# KiCad board AMC_FMC_Carrier-PcbDoc.kicad_pcb (continued)
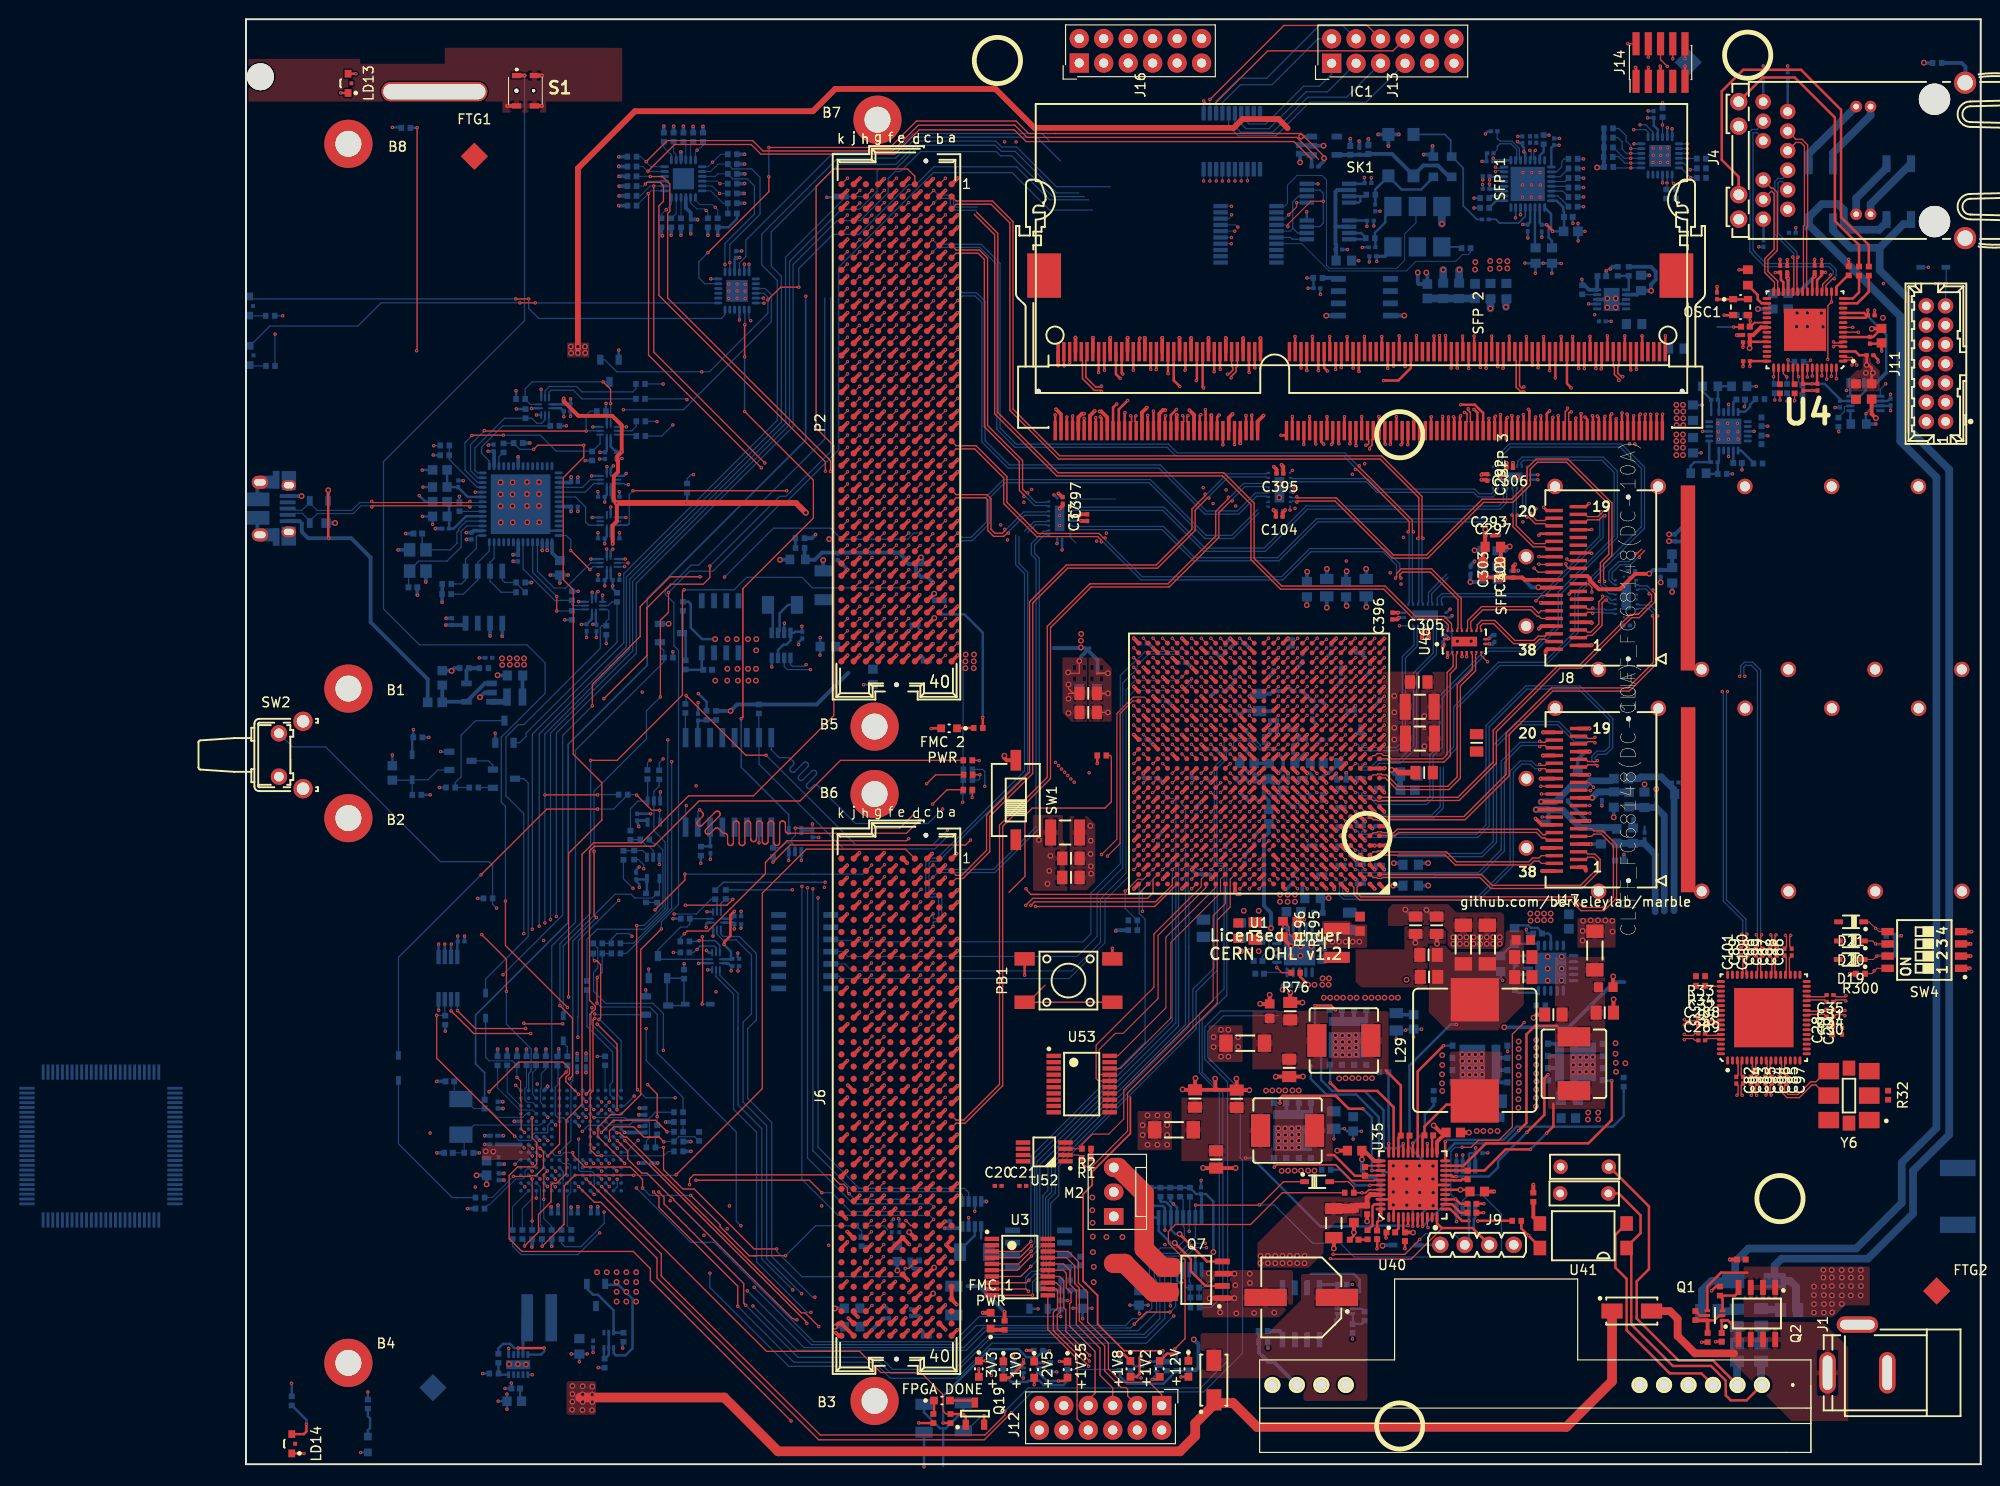
[diagram p0: board, top side]
## Routing (per net, layer and track width the routed paths; a pad name or vN(x,y) marks a point on that pad's centre or on a via; arc(x,y) is an arc through that point) (continued)
/FMC_1/FMC1_3P3VAUX: length 3.3
  Top w0.4: J6.D32 68.82,24.08 v2(68.81,24.08)
  Bottom w0.127: 66.57,24.32 66.57,24.37 66.19,24.76 R261.1
/FMC_1/FMC1_CLK0_M2C_N: length 44.8
  Top w0.11: U1.E17 v1(101.12,63.73)
  Top w0.112: J6.H5 64.32,57.8 v1(64.9,58.38)
  In7.Cu w0.1: v1(64.9,58.38) 65.41,58.89 75.98,58.89 78.32,56.55 97.84,56.55 99.77,58.48 99.77,59.54 99.77,59.55 99.77,59.88 99.77,59.88 99.77,61.56 99.77,61.56 99.77,61.9 99.95,62.08 99.96,62.08 99.97,62.09 100.41,62.09 100.76,62.44 100.76,63.86 ; 101.07,64.09 101.12,64.04 v1(101.12,63.73)
/FMC_1/FMC1_CLK0_M2C_P: length 44.4
  Top w0.11: U1.F17 v1(101.12,64.73)
  Top w0.112: v1(64.9,59.68) 64.32,59.1 J6.H4
  In7.Cu w0.1: 100.47,63.9 100.47,62.56 100.29,62.38 99.85,62.38 99.84,62.37 99.83,62.37 99.48,62.02 99.48,61.44 99.48,59.42 99.48,58.6 97.72,56.84 78.44,56.84 76.11,59.18 65.41,59.18 v1(64.9,59.68) ; 101.07,64.38 101.12,64.43 v1(101.12,64.73)
/FMC_1/FMC1_CLK1_M2C_N: length 42.9
  Top w0.11: v1(100.12,62.73) 100.12,62.73 U1.D18
  Top w0.112: J6.G3 65.6,60.33 v1(66.25,60.98)
  In7.Cu w0.1: v1(100.12,62.73) 99.76,63.09 98.96,63.09 98.77,62.89 98.77,60.56 98.77,60.56 98.77,59.37 97.96,58.56 80.35,58.56 75.12,63.8 71.08,63.8 68.74,61.46 66.73,61.46 v1(66.25,60.98)
/FMC_1/FMC1_CLK1_M2C_P: length 42.9
  Top w0.11: U1.E18 100.12,63.73 v1(100.12,63.73)
  Top w0.112: v1(66.25,62.23) 65.62,61.6 J6.G2
  In7.Cu w0.1: v1(100.12,63.73) 99.76,63.38 98.84,63.38 98.84,63.37 98.83,63.37 98.48,63.02 98.48,60.44 98.48,60.44 98.48,59.49 97.84,58.85 80.47,58.85 75.24,64.09 70.96,64.09 68.62,61.75 66.73,61.75 v1(66.25,62.23)
/FMC_1/FMC1_FUSE: length 39.9
  Top w0.127: v1(41.15,28.67) 41.15,29.58 39.87,30.85 35.16,30.85 33.91,32.1 v1(33.91,32.35) ; 52.83,21.63 52.22,21.63 49.2,24.66 49.2,24.86 v1(46.15,27.91) ; 52.83,21.63 52.85,21.65 v1(55.99,21.65) ; 52.83,21.63 52.73,21.63
  Bottom w0.127: v1(41.15,28.67) 41.91,27.91 v1(46.15,27.91) ; R260.1 63.88,24.21 63.77,24.32 63.75,24.32 63.33,24.74 R261.2 59.1,24.76 v1(55.99,21.65) ; 31.73,32.39 31.73,32.39 32.09,32.03 32.7,32.03 33.02,32.35 v1(33.91,32.35)
/FMC_1/FMC1_GBTCLK0_M2C_N: length 160.1
  Top w0.112: v1(70,58.38) 69.41,57.79 J6.D5
  Top w0.13: v1(160.29,54.91) 160.18,54.8 160.18,53.74 160.39,53.53 C86.2
  In4.Cu w0.1: 158.71,53.41 149.23,53.41 145.22,49.4 145.22,41.27 142.44,38.5 137.85,38.5 135.36,36.01 124.3,36.01 121.79,38.53 114.67,38.53 112.34,36.2 101.35,36.2 97.45,32.3 89.24,32.3 86.81,29.87 86.75,29.87 86.4,29.51 86.4,29.46 79.26,22.32 64.61,22.32 63.21,23.72 63.21,27.78 63.22,27.79 63.22,28.37 63.21,28.39 63.21,58.45 63.62,58.86 69.52,58.86 v1(70,58.38)
/FMC_1/FMC1_GBTCLK0_M2C_P: length 161.2
  Top w0.112: v1(70.05,59.68) 69.43,59.06 J6.D4
  Top w0.13: C98.2 159.64,53.53 159.85,53.74 159.85,54.8 v1(159.74,54.91)
  In4.Cu w0.1: 158.71,53.12 149.35,53.12 145.51,49.28 145.51,41.15 142.56,38.21 137.97,38.21 135.48,35.72 124.18,35.72 121.67,38.24 114.79,38.24 112.46,35.91 101.47,35.91 97.57,32.01 89.36,32.01 86.93,29.58 86.87,29.58 86.69,29.39 86.69,29.34 79.38,22.03 64.49,22.03 62.92,23.6 62.92,27.9 62.93,27.91 62.93,28.25 62.92,28.27 62.92,58.57 63.5,59.15 69.52,59.15 v1(70.05,59.68)
/FMC_1/FMC1_GBTCLK1_M2C_N: length 133.4
  Top w0.112: 71.94,37.47 v1(72.55,38.08)
  Top w0.13: v1(158.76,54.96) 158.65,54.85 158.65,53.7 C87.2
  In4.Cu w0.1: v1(72.55,38.08) 72.05,38.59 64.91,38.59 64.4,38.08 64.4,25.07 64.57,24.9 71.6,24.9 72.33,24.16 79.67,24.16 97.08,41.58 107.58,41.58 108.28,42.27 110.93,42.27 111.28,41.92 120.88,41.92 127.39,48.43 138.25,48.43 146.29,56.47 157.92,56.47 158.63,55.76 158.63,55.09 v1(158.76,54.96)
/FMC_1/FMC1_GBTCLK1_M2C_P: length 134
  Top w0.112: 71.91,38.74 v1(72.55,39.38)
  Top w0.13: C99.2 158.13,53.55 158.32,53.74 158.32,54.85 v1(158.21,54.96)
  In4.Cu w0.1: v1(158.21,54.96) 158.34,55.09 158.34,55.64 157.8,56.18 146.41,56.18 138.37,48.14 127.51,48.14 121,41.63 111.16,41.63 110.81,41.98 108.4,41.98 107.7,41.29 97.2,41.29 79.79,23.87 72.21,23.87 71.48,24.61 64.45,24.61 64.11,24.95 64.11,38.2 64.79,38.88 72.05,38.88 v1(72.55,39.38)
/FMC_1/FMC1_PG_C2M: length 71.2
  Top w0.127: v1(30.73,22.62) 33.02,24.91 33.02,28.9 34.13,30.01 40.21,30.01 v1(40.23,29.99) ; v1(44.62,30.04) 53.57,38.99 53.57,59.28 58.14,63.85 68.42,63.85 J6.D1
  Bottom w0.127: v1(30.73,22.62) 30.73,23.35 R153.1 ; v1(40.23,29.99) 44.57,29.99 v1(44.62,30.04)
/FMC_1/I2C_FMC1_SCL: length 127.2
  Top w0.127: J6.C30 70.7,26.04 v1(71.37,26.71) ; v1(42.31,132.69) 42.31,115.46 v1(53.83,103.94)
  In2.Cu w0.127: v1(53.83,103.94) 53.83,93.12 56.79,90.16 56.79,84.85 57.54,84.1 57.54,67.14 58.27,66.41 v1(58.27,59.83)
  Bottom w0.102: R45.1 40.91,131.66 41.94,132.69 U5.2
  Bottom w0.127: 63.51,27.03 71.05,27.03 v1(71.37,26.71) ; 63.51,27.03 63.41,27.03 ; 63.51,27.03 63.01,27.03 58.27,31.78 v1(58.27,59.83) ; 42.25,132.69 v1(42.31,132.69)
/FMC_1/I2C_FMC1_SDA: length 129.2
  Top w0.127: v1(41.74,131.91) 41.77,131.88 41.77,115.14 v1(53.48,103.43) ; v1(71.35,25.42) 70.7,24.77 J6.C31
  In2.Cu w0.127: v1(53.48,103.43) 53.48,92.36 56.32,89.51 56.32,84.55 57.12,83.75 57.12,76.95 ; 57.12,69.03 57.12,76.95 ; 57.12,69.03 57.12,66.69 57.34,66.48 57.34,64.62 57.13,64.42 57.13,60.53 v1(57.68,59.99) ; 57.12,69.03 57.12,68.94 ; 57.12,76.95 57.12,77.04
  Bottom w0.102: R46.1 40.52,130.67 41.74,131.89 v1(41.74,131.91) 42.03,132.19 U5.1
  Bottom w0.127: v1(71.35,25.42) 70.93,25.83 61.43,25.83 57.68,29.58 v1(57.68,59.99)
/FMC_2/CLK_DIR: length 0.9
  Top w0.112: P2.B1 v1(72.58,133.51)
/FMC_2/FMC2_3P3VAUX: length 20
  Top w0.381: v1(71.29,91.53) 70.72,90.96 P2.C34
  Top w0.4: P2.D32 v2(70.04,94.14)
  Bottom w0.4: 69.56,93.44 C10.1 70.18,93.99 v2(70.04,94.14) ; 69.56,93.44 68.76,93.44 68.29,93.91 68.29,94.09 67.74,94.64 67.26,94.64 67.24,94.62 67.22,94.64 64.72,94.64 64.71,94.63 62.67,94.63 62.66,94.64 62.18,94.64 62.17,94.63 59.77,94.63 59.03,93.89 57.92,93.89 57.96,93.93 R259.1 ; 69.56,93.44 69.54,93.41 69.54,92.62 70.04,92.12 70.71,92.12 v1(71.29,91.53)
/FMC_2/FMC2_CLK0_M2C_N: length 76
  Top w0.11: U1.AA24 v1(94.12,80.73)
  Top w0.112: 64.32,127.79 v1(64.94,128.42)
  In4.Cu w0.1: v1(64.94,128.42) 64.46,128.9 62.2,128.9 61.97,128.66 61.97,112.88 62.11,112.73 74.62,112.73 80.4,106.95 80.4,103.13 81.57,101.96 81.63,101.96 82.23,101.36 82.23,101.3 82.29,101.25 82.29,98.75 91.16,89.88 91.16,80.6 91.39,80.37 94.2,80.37 94.3,80.47 94.3,80.55 v1(94.12,80.73)
/FMC_2/FMC2_CLK0_M2C_P: length 77.5
  Top w0.11: U1.Y23 v1(95.12,79.73)
  Top w0.112: 64.34,129.06 v1(64.94,129.67)
  In4.Cu w0.1: v1(95.12,79.73) 94.77,80.08 91.27,80.08 90.87,80.48 90.87,89.76 82,98.63 82,101.13 81.94,101.18 81.94,101.24 81.51,101.67 81.45,101.67 80.11,103.01 80.11,106.83 74.5,112.44 61.99,112.44 61.68,112.76 61.68,128.78 62.08,129.19 64.46,129.19 v1(64.94,129.67)
/FMC_2/FMC2_CLK1_M2C_N: length 106
  Top w0.11: U1.E23 v1(95.12,63.73)
  Top w0.112: P2.G3 v1(66.23,130.97)
  In4.Cu w0.1: v1(66.23,130.97) 66.23,131.37 66.31,131.46 66.67,131.46 66.7,131.42 66.7,130.63 66.51,130.44 60.86,130.44 59.99,129.58 59.99,105.03 61.45,103.58 61.45,87.58 62,87.03 75.73,87.03 78.23,84.53 78.23,75.3 80.06,73.47 86.56,73.47 87.85,72.18 87.85,67.58 88.18,67.25 88.18,65.9 90,64.09 95.3,64.09 95.33,64.05 95.33,63.96 95.11,63.74
/FMC_2/FMC2_CLK1_M2C_P: length 106.5
  Top w0.11: U1.F22 96.12,64.73 v1(96.12,64.73)
  Top w0.112: P2.G2 v1(66.23,132.24)
  In4.Cu w0.1: 96.11,64.74 95.76,64.38 90.12,64.38 88.47,66.02 88.47,67.37 88.14,67.7 88.14,72.3 86.68,73.76 80.18,73.76 78.52,75.42 78.52,84.65 75.85,87.32 62.12,87.32 61.74,87.7 61.74,103.7 60.28,105.15 60.28,129.46 60.98,130.15 66.63,130.15 66.99,130.51 66.99,131.54 66.79,131.75 66.31,131.75 66.23,131.83 v1(66.23,132.24)
/FMC_2/FMC2_DP4_M2C_N: length 0.9
  Top w0.112: P2.A15 v1(73.85,115.73)
/FMC_2/FMC2_DP4_M2C_P: length 0.9
  Top w0.112: P2.A14 v1(73.85,117)
/FMC_2/FMC2_DP5_C2M_N: length 0.9
  Top w0.112: P2.A39 v1(73.85,85.25)
/FMC_2/FMC2_DP5_C2M_P: length 0.9
  Top w0.112: P2.A38 v1(73.85,86.52)
/FMC_2/FMC2_DP5_M2C_N: length 0.9
  Top w0.112: P2.A19 v1(73.85,110.65)
/FMC_2/FMC2_DP5_M2C_P: length 0.9
  Top w0.112: P2.A18 v1(73.85,111.92)
/FMC_2/FMC2_DP6_C2M_N: length 0.9
  Top w0.112: P2.B37 v1(72.58,87.79)
/FMC_2/FMC2_DP6_C2M_P: length 0.9
  Top w0.112: P2.B36 v1(72.58,89.06)
/FMC_2/FMC2_DP6_M2C_N: length 0.9
  Top w0.112: P2.B17 v1(72.58,113.19)
/FMC_2/FMC2_DP6_M2C_P: length 0.9
  Top w0.112: P2.B16 v1(72.58,114.46)
/FMC_2/FMC2_DP7_C2M_N: length 0.9
  Top w0.112: P2.B33 v1(72.58,92.87)
/FMC_2/FMC2_DP7_C2M_P: length 0.9
  Top w0.112: P2.B32 v1(72.58,94.14)
/FMC_2/FMC2_DP7_M2C_N: length 0.9
  Top w0.112: P2.B13 v1(72.58,118.27)
/FMC_2/FMC2_DP7_M2C_P: length 0.9
  Top w0.112: P2.B12 v1(72.58,119.54)
/FMC_2/FMC2_DP8_C2M_N: length 0.9
  Top w0.112: P2.B29 v1(72.58,97.95)
/FMC_2/FMC2_DP8_C2M_P: length 0.9
  Top w0.112: P2.B28 v1(72.58,99.22)
/FMC_2/FMC2_DP8_M2C_N: length 0.9
  Top w0.112: P2.B9 v1(72.58,123.35)
/FMC_2/FMC2_DP8_M2C_P: length 0.9
  Top w0.112: P2.B8 v1(72.58,124.62)
/FMC_2/FMC2_DP9_C2M_N: length 0.9
  Top w0.112: P2.B25 v1(72.58,103.03)
/FMC_2/FMC2_DP9_C2M_P: length 0.9
  Top w0.112: P2.B24 v1(72.58,104.3)
/FMC_2/FMC2_DP9_M2C_N: length 0.9
  Top w0.112: P2.B5 v1(72.58,128.43)
/FMC_2/FMC2_DP9_M2C_P: length 0.9
  Top w0.112: P2.B4 v1(72.58,129.7)
/FMC_2/FMC2_FUSE: length 1
  Bottom w0.254: R259.2 57.02,95.72 57.01,95.74 R258.1
/FMC_2/FMC2_GBTCLK0_M2C_N: length 161.2
  Top w0.112: P2.D5 v1(70.04,128.43)
  Top w0.13: v1(157.27,54.96) 157.16,54.85 157.16,53.71 C88.2
  In2.Cu w0.1: v1(154.98,81.79) 155.11,81.92 155.11,96.91 151.77,100.25 151.77,123.81 149.62,125.96 128.93,125.96 127.69,127.2 121.54,127.2 119.83,128.92 70.53,128.92 v1(70.04,128.43)
  Bottom w0.13: v1(154.98,81.79) 155.09,81.9 155.09,82.88 155.48,83.26 156.33,83.26 157.16,82.43 157.16,55.07 v1(157.27,54.96)
/FMC_2/FMC2_GBTCLK0_M2C_P: length 160.6
  Top w0.112: P2.D4 v1(70.04,129.7)
  Top w0.13: C100.2 156.83,53.71 156.83,54.85 v1(156.72,54.96)
  In2.Cu w0.1: v1(155.53,81.79) 155.4,81.92 155.4,97.03 152.06,100.37 152.06,123.93 149.74,126.25 129.05,126.25 127.81,127.49 121.66,127.49 119.95,129.21 70.53,129.21 v1(70.04,129.7)
  Bottom w0.13: v1(156.72,54.96) 156.83,55.07 156.83,82.29 156.19,82.93 155.62,82.93 155.42,82.74 155.42,81.9 v1(155.53,81.79)
/FMC_2/FMC2_GBTCLK1_M2C_N: length 200.3
  Top w0.112: P2.B21 v1(72.58,108.11)
  Top w0.13: v1(155.75,55.02) 155.64,54.91 155.64,53.72 C89.2
  In9.Cu w0.1: v1(153.72,80.22) 153.6,80.34 153.6,83.79 152.24,85.15 152.24,111.66 151.6,112.29 151.6,122.11 147.78,125.93 129.08,125.93 122.6,132.41 115.86,132.41 114.12,134.15 104.97,134.15 104.51,134.6 94.9,134.6 89.52,129.23 61.91,129.23 61.54,128.85 61.54,108.96 61.9,108.6 72.09,108.6 v1(72.58,108.11)
  Bottom w0.13: v1(153.72,80.22) 153.62,80.11 153.62,58.59 155.64,56.57 155.64,55.13 v1(155.75,55.02)
/FMC_2/FMC2_GBTCLK1_M2C_P: length 198.9
  Top w0.112: P2.B20 v1(72.58,109.38)
  Top w0.13: v1(155.2,55.02) 155.31,54.91 155.31,53.72 C101.2
  In9.Cu w0.1: v1(153.18,80.22) 153.31,80.34 153.31,83.67 151.95,85.03 151.95,111.54 151.31,112.17 151.31,121.99 147.66,125.64 128.96,125.64 122.48,132.12 115.74,132.12 114,133.86 104.85,133.86 104.39,134.31 95.02,134.31 89.64,128.94 62.03,128.94 61.83,128.73 61.83,109.08 62.02,108.89 72.09,108.89 v1(72.58,109.38)
  Bottom w0.13: v1(155.2,55.02) 155.31,55.13 155.31,56.44 153.29,58.46 153.29,80.11 v1(153.18,80.22)
/FMC_2/FMC2_PG_C2M: length 144.1
  Top w0.127: P2.D1 69.4,133.71 68.65,134.46 60.96,134.46 59.15,132.65 59.15,107.56 60.99,105.72 60.99,77.72 52.65,69.38 45.92,69.38 41.04,64.51 36.07,64.51 34.87,63.31 34.87,37.38 33.22,35.73 33.22,30.16 32.22,29.16 31.83,29.16 31.66,28.98 31.66,27.24 30.35,25.93 30.35,24.1 v1(28.91,22.66)
  Bottom w0.127: v1(28.91,22.66) 28.91,23.13 R154.1
/FMC_2/GBTCLK2_M2C_N: length 0.9
  Top w0.112: P2.K5 61.81,127.79 v1(62.4,128.38)
/FMC_2/GBTCLK2_M2C_P: length 0.9
  Top w0.112: v1(62.4,129.68) 61.78,129.06 P2.K4
/FMC_2/GBTCLK3_M2C_N: length 0.9
  Top w0.112: P2.J3 63.1,130.33 v1(63.7,130.93)
/FMC_2/GBTCLK3_M2C_P: length 0.9
  Top w0.112: v1(63.7,132.23) 63.39,131.92 63.37,131.92 P2.J2
/FMC_2/I2C_FMC2_SCL: length 57.2
  Top w0.127: v1(41.95,133.67) 43.2,133.67 43.97,132.9 43.97,130.07 43.75,129.84 43.75,121.07 60.65,104.17 v1(60.65,103.06) ; P2.C30 70.71,96.04 v1(71.27,96.6)
  GND5.Cu w0.118: v1(71.27,96.6) 70.93,96.93 70.93,98.19 70.42,98.7 64.73,98.7
  GND5.Cu w0.127: v1(60.65,103.06) 60.65,102.78 64.73,98.7
  Bottom w0.102: U5.4 43.43,133.7 R47.1
/FMC_2/I2C_FMC2_SDA: length 59.1
  Top w0.127: v1(60.12,103.09) 60.12,104.05 42.85,121.33 42.85,130.64 43.32,131.11 43.32,132.72 42.96,133.07 41.61,133.07 v1(41.44,132.9) ; v1(71.29,95.44) 70.67,94.82 P2.C31
  GND5.Cu w0.127: v1(71.29,95.44) 70.43,96.31 70.43,98.14 70.2,98.36 63.98,98.36 60.12,102.23 v1(60.12,103.09)
  Bottom w0.102: R48.1 41.22,132.68 41.73,133.19 U5.3
/FMC_2/PG_M2C: length 0.9
  Top w0.112: P2.F1 v1(67.5,133.51)
/FMC_2/RES0: length 0.9
  Top w0.102: P2.B40 v1(72.58,83.98)
/FMC_2/VREF_B_M2C: length 0.9
  Top w0.112: P2.K1 v1(62.42,133.51)
/FMC_TCK: length 30.2
  GND5.Cu w0.127: v1(40.69,33.62) 40.69,33.95 41.42,34.69 41.42,37.84 43.3,39.72 v1(43.3,42.97)
  Bottom w0.127: 36.01,54.08 R239.2 36.03,54.05 36.5,53.58 36.5,51.5 36.07,51.07 36.07,49.09 37.31,47.84 42.24,47.84 43.3,46.78 43.3,42.89 ; v1(40.69,33.62) 39.46,32.39 38.93,32.39
/FMC_TDI: length 26.9
  In2.Cu w0.127: v1(40.28,38.22) 40.28,40.27 40.46,40.45 40.46,55.11 40.15,55.41 v1(40.15,59.78)
  Bottom w0.127: 38.93,37.19 39.25,37.19 v1(40.28,38.22) ; R237.1 39.16,60.77 v1(40.15,59.78)
/FMC_TDO: length 12.6
  Bottom w0.127: 38.13,37.99 37.76,38.36 37.76,39.4 38.05,39.69 38.05,42.79 35.38,45.46 R275.2
/FMC_TMS: length 15.8
  Top w0.127: v1(36.16,52.26) 36.41,52.26 36.8,51.87 36.8,46.34 v1(36.62,46.17)
  Bottom w0.127: 38.93,38.79 38.93,43.94 36.7,46.17 v1(36.62,46.17) ; R240.2 36.03,52.39 v1(36.16,52.26) ; 36.07,52.99 36.05,53
/FMC_TRST: length 7.6
  Bottom w0.127: R290.2 41.54,33.58 41.86,33.9 41.86,35.48 41.79,35.55 40.13,35.55 39.8,35.22 37.7,35.22 37.33,35.59
/FPGA/CCLK: length 51.7
  Top w0.102: U1.C8 v1(111.12,61.73)
  In4.Cu w0.127: v1(45.68,68.38) 59.78,68.38 61.9,66.26 67.99,66.26 69.11,67.38 76.73,67.38 ; v1(111.12,61.73) 111.63,62.24 111.63,64.81 111.19,65.24 110.69,65.24 110.69,65.69 110.11,66.27 106.16,66.27 105.23,67.2 99.8,67.2
  Bottom w0.127: v1(45.68,68.38) 45.62,68.31 U30.16
/FPGA/CFG_WP_B: length 62.2
  Top w0.127: 51.53,90.88 58.87,98.22 58.87,102.15 v1(51.74,109.29)
  Top w0.15: v1(51.76,118.3) 51.74,118.28 v1(51.74,114.95) ; v1(51.38,77.38) 51.56,77.56 51.56,90.86 51.53,90.88
  Bottom w0.15: v1(51.76,118.3) 51.76,119.79 U39.8 ; v1(51.74,114.95) v1(51.74,109.29) ; v1(51.38,77.38) 51.38,72.36 56.32,67.42 U11.4
/FPGA/CLK20_VCXO: length 22.5
  Bottom w0.102: R103.2 127.07,125.82 126.81,125.57 126.24,125.57 125.54,124.87 121.4,124.87 120.41,123.88 112.38,123.88 109.56,126.7 U42.7
/FPGA/DDR3_CAS_N: length 26.2
  Top w0.11: 110.65,85.24 v1(111.15,85.74)
  Top w0.254: SK1.115 120.57,105.85 120.55,105.83
  In7.Cu w0.135: v1(111.15,85.74) 111.15,87.16 112.62,88.63 112.62,91.8 112.62,91.81 112.62,96.99 120.56,104.93 v1(120.56,105.83)
/FPGA/DDR3_CK_N: length 28.1
  Top w0.11: U1.AF12 v1(107.12,85.73)
  Top w0.15: v1(116.59,105.4) 116.59,105.54 116.84,105.79 116.84,106.34 116.97,106.47 SK1.103
  In4.Cu w0.1: v1(107.12,85.73) 107.12,85.46 107.07,85.41 106.86,85.41 106.76,85.51 106.76,93.3 113.3,99.84 113.3,103.24 114.94,104.89 115.89,104.89 116.4,105.4 v1(116.59,105.4)
/FPGA/DDR3_CK_P: length 28.6
  Top w0.11: v1(107.15,84.76) U1.AE12
  Top w0.15: v1(116.2,105.79) 116.34,105.79 116.49,105.94 116.49,106.34 116.37,106.47 SK1.101
  In4.Cu w0.1: v1(116.2,105.79) 116.2,105.6 115.77,105.18 114.82,105.18 113.01,103.37 113.01,99.96 106.47,93.42 106.47,85.39 106.74,85.12 107.1,85.12 107.15,85.07 v1(107.15,84.76)
/FPGA/DDR3_CKE: length 28.7
  Top w0.11: U1.AA13 v1(106.12,80.73)
  Top w0.254: v1(107.39,106.81) 107.83,106.81 107.97,106.95 SK1.73
  In2.Cu w0.135: v1(106.12,80.73) 105.66,81.19 105.66,105.08 v1(107.39,106.81)
/FPGA/DDR3_CS_N: length 37.2
  Top w0.11: 111.62,82.23 v1(112.12,82.73)
  Top w0.254: v1(120.28,113.95) 120.27,113.96 SK1.114
  In2.Cu w0.135: v1(112.12,82.73) 111.78,83.08 111.78,87.31 113.37,88.9 113.37,96.1 120.2,102.94 120.2,106 120.34,106.14 120.34,112.94 120.28,113.01 v1(120.28,113.95)
/FPGA/DDR3_DQS0_N: length 14.4
  Top w0.11: U1.AF18 v1(100.12,85.73)
  Top w0.15: v1(88.77,111.37) 88.67,111.47 88.02,111.47 86.79,112.71 86.79,114.54 86.67,114.67 SK1.10
  In7.Cu w0.1: v1(100.12,85.73) 100.12,94.07
/FPGA/DDR3_DQS0_P: length 15.1
  Top w0.11: U1.AE18 v1(100.12,84.73)
  Top w0.15: SK1.12 87.27,114.67 87.14,114.54 87.14,112.85 88.17,111.82 88.67,111.82 v1(88.77,111.92)
  In7.Cu w0.1: 100.41,94.19 100.41,85.92 100.45,85.89 100.45,85.06 v1(100.12,84.73)
/FPGA/DDR3_DQS1_N: length 32.3
  Top w0.11: U1.W19 v1(99.12,78.73)
  Top w0.15: v1(91.79,108.83) 91.89,108.73 91.89,108.24 91.77,108.12 SK1.27
  In9.Cu w0.1: 92.08,105.46 92.08,97.47 99.47,90.07 99.47,79.09 v1(99.12,78.73)
/FPGA/DDR3_DQS1_P: length 32.3
  Top w0.11: U1.W18 v1(100.12,78.73)
  Top w0.15: SK1.29 92.37,108.12 92.24,108.24 92.24,108.73 v1(92.34,108.83)
  In9.Cu w0.1: v1(100.12,78.73) 99.76,79.09 99.76,90.19 92.37,97.59 92.37,105.46
/FPGA/DDR3_DQS2_N: length 27.6
  Top w0.11: U1.AE20 v1(98.12,84.73)
  Top w0.15: SK1.45 97.17,108.12 97.29,108.24 97.29,108.75 v1(97.19,108.85)
  In4.Cu w0.1: v1(98.12,84.73) 98.12,85.19 98.48,85.55 98.48,94.13 96.75,95.85 96.75,104.99 97.32,105.56 97.32,108.72 v1(97.19,108.85)
/FPGA/DDR3_DQS2_P: length 28.8
  Top w0.11: U1.AD20 v1(98.12,83.73)
  Top w0.15: v1(97.74,108.85) 97.64,108.75 97.64,108.24 97.77,108.12 SK1.47
  In4.Cu w0.1: v1(98.12,83.73) 98.41,84.02 98.41,84.54 98.45,84.57 98.45,84.89 98.41,84.92 98.41,85.07 98.77,85.43 98.77,94.25 97.04,95.97 97.04,104.87 97.61,105.44 97.61,108.72 v1(97.74,108.85)
/FPGA/DDR3_DQS3_N: length 39.1
  Top w0.11: U1.Y16 v1(102.12,79.73)
  Top w0.15: 102.39,114.54 102.27,114.67 SK1.62 102.27,113.99 102.39,113.87 102.39,113.58 101.97,113.16 v1(101.84,113.16)
  In2.Cu w0.1: v1(102.12,79.73) 102.47,80.09 102.47,96.93 100.79,98.61 100.79,103.73 101.71,104.65 101.71,112.85 101.84,112.98 v1(101.84,113.16)
/FPGA/DDR3_DQS3_P: length 39.2
  Top w0.11: U1.Y15 v1(103.12,79.73)
  Top w0.15: v1(102.22,112.78) 102.22,112.91 102.74,113.44 102.74,113.87 102.87,113.99 SK1.64 102.87,114.67 102.74,114.54
  In2.Cu w0.1: v1(103.12,79.73) 102.76,80.09 102.76,97.05 101.08,98.73 101.08,103.61 102,104.53 102,112.73 102.04,112.78 v1(102.22,112.78)
/FPGA/DDR3_DQS4_N: length 36.6
  Top w0.15: SK1.135 126.57,108.12 126.69,108.24 126.69,109.05 126.56,109.18 v1(126.42,109.18)
  Top w0.2: U1.AB5 v1(114.12,81.73)
  In4.Cu w0.1: v1(126.42,109.18) 126.61,109.18 126.79,109 126.79,106.67 126.7,106.58
  In4.Cu w0.13: v1(114.12,81.73) 114.12,81.49 114.21,81.4 114.37,81.4 114.44,81.47 114.44,86.32 116.81,88.69 116.81,96.69 126.7,106.58
/FPGA/DDR3_DQS4_P: length 37.4
  Top w0.15: v1(126.81,109.57) 126.81,109.43 127.04,109.2 127.04,108.24 127.17,108.12 SK1.137
  Top w0.2: U1.AA5 v1(114.12,80.73)
  In4.Cu w0.1: v1(126.81,109.57) 126.81,109.39 127.08,109.12 127.08,106.5 127.07,106.49
  In4.Cu w0.13: v1(114.12,80.73) 114.77,81.38 114.77,86.18 117.14,88.56 117.14,96.56 127.07,106.49
/FPGA/DDR3_DQS5_N: length 39.6
  Top w0.15: SK1.152 131.67,114.67 131.79,114.54 131.79,111.8 132.2,111.4 132.5,111.4 v1(132.6,111.3)
  Top w0.2: 114.63,85.24 v1(115.11,85.73)
  In7.Cu w0.13: v1(132.6,111.3) 132.49,111.41 131.04,111.41 119.44,99.81 119.44,95.22 118.18,93.97 118.18,89.83 117.05,88.69 117.05,88.63 116.61,88.2 116.55,88.2 114.77,86.41 114.77,86.07 v1(115.11,85.73)
/FPGA/DDR3_DQS5_P: length 39.6
  Top w0.15: SK1.154 132.27,114.67 132.14,114.54 132.14,111.94 132.34,111.75 132.5,111.75 v1(132.6,111.85)
  Top w0.2: v1(114.09,85.73) 113.62,85.26 113.62,85.24
  In7.Cu w0.13: v1(132.6,111.85) 132.49,111.74 130.9,111.74 119.11,99.94 119.11,95.36 117.85,94.1 117.85,89.96 116.72,88.83 116.72,88.77 116.48,88.53 116.42,88.53 114.44,86.55 114.44,86.07 v1(114.09,85.73)
/FPGA/DDR3_DQS6_N: length 41.5
  Top w0.15: v1(137.13,109.63) 137.13,109.49 136.89,109.26 136.89,108.24 136.77,108.12 SK1.169
  Top w0.2: U1.AC1 v1(118.12,82.73)
  In2.Cu w0.1: v1(137.13,109.63) 137.03,109.53 136.54,109.53 135.92,110.16 134.32,110.16 126.73,102.56 126.73,92.65 120.9,86.82 120.9,84.23 119.04,82.37 118.48,82.37 v1(118.12,82.73)
/FPGA/DDR3_DQS6_P: length 41.5
  Top w0.102: U1.AB1 117.62,81.23
  Top w0.15: v1(137.52,109.24) 137.38,109.24 137.24,109.11 137.24,108.24 137.37,108.12 SK1.171
  Top w0.2: 117.62,81.23 v1(118.11,81.71)
  In2.Cu w0.1: v1(118.11,81.71) 118.48,82.08 119.16,82.08 121.19,84.11 121.19,86.7 127.02,92.53 127.02,102.44 134.44,109.87 135.8,109.87 136.42,109.24 v1(137.52,109.24)
/FPGA/DDR3_DQS7_N: length 56.3
  Top w0.15: v1(142.45,112.52) 142.45,112.66 141.99,113.12 141.99,113.87 141.87,113.99 SK1.186
  Top w0.2: U1.W5 v1(114.12,78.73)
  In9.Cu w0.1: v1(114.12,78.73) 113.76,79.09 113.76,82.56 113.76,82.57 113.76,87.57 114.95,88.77 114.95,89.11 117.78,91.94 117.78,97.39 128.27,107.88 128.27,109.11 129.38,110.22 138.69,110.22 141.21,112.74 142.42,112.74 142.45,112.7 v1(142.45,112.52)
/FPGA/DDR3_DQS7_P: length 56.8
  Top w0.15: v1(142.83,112.91) 142.7,112.91 142.34,113.26 142.34,113.87 142.47,113.99 SK1.188
  Top w0.2: U1.W6 v1(113.12,78.73)
  In9.Cu w0.1: v1(113.12,78.73) 113.47,79.09 113.47,82.44 113.47,82.45 113.47,87.69 114.66,88.89 114.66,89.23 117.49,92.06 117.49,97.51 127.98,108 127.98,109.23 129.26,110.51 138.57,110.51 141.08,113.03 142.54,113.03 142.66,112.91 v1(142.83,112.91)
/FPGA/DDR3_ODT: length 39.8
  Top w0.11: U1.AB9 v1(110.12,81.73)
  Top w0.254: SK1.116 120.87,113.8 119.57,112.5 v1(118.04,112.5)
  In2.Cu w0.135: v1(110.12,81.73) 110.46,82.07 110.46,88.33 111.02,88.89 111.02,95.56 117.78,102.31 117.78,105.96 118.04,106.23 118.04,112.46
/FPGA/DDR3_RAS_N: length 38.4
  Top w0.11: 111.64,81.24 v1(112.14,81.74)
  Top w0.254: v1(119.07,114) 119.07,114 SK1.110
  In2.Cu w0.135: v1(112.14,81.74) 111.54,82.34 111.54,87.49 112.85,88.8 112.85,96.15 119.51,102.82 119.51,108.39 119.71,108.59 119.71,108.92 119.71,108.92 119.71,113.36 v1(119.07,114)
/FPGA/DDR3_RST_N: length 47.5
  Top w0.11: U1.Y12 v1(107.12,79.73)
  Top w0.254: v1(92.76,116.89) 92.67,116.8 SK1.30
  In9.Cu w0.135: v1(107.12,79.73) 106.87,79.73 106.64,79.96 105.93,79.96 105.33,80.56 105.33,100.33 100.59,105.07 100.59,111.93 97.88,114.65 95.01,114.65 v1(92.76,116.89)
/FPGA/DDR3_WE_N: length 26.4
  Top w0.102: U1.AF9 v1(110.12,85.73)
  Top w0.254: SK1.113 119.97,105.94 v1(119.86,105.83)
  In4.Cu w0.135: v1(110.12,85.73) 110.12,87.58 113.15,90.62 113.15,97.27 119.86,103.97 v1(119.86,105.83)
/FPGA/DXN_0: length 70.9
  Top w0.102: U1.R11 v1(108.12,74.73)
  Bottom w0.127: v1(108.12,74.73) 107.55,74.16 105.24,74.16 104.32,75.09 102.67,75.09 102.49,74.91 102.49,74.55 102.03,74.1 101.94,74.1 101.71,73.87 101.71,73.18 100.74,72.2 100.74,62.72 100.74,62.72 100.76,62.69 100.76,62.58 100.97,62.37 101.52,62.37 101.78,62.12 101.78,48.68 99.21,46.11 99.21,40.68 101.37,38.52 101.37,17.49 100.15,16.27 R129.1
/FPGA/DXP_0: length 71.2
  Top w0.102: U1.R12 v1(107.12,74.73)
  Bottom w0.127: C188.1 C189.1 ; C188.1 99.15,18.58 U27.9 ; C188.1 99.33,18.33 100.99,19.98 100.99,38.58 98.93,40.64 98.93,46.8 101.48,49.36 101.48,61.92 101.29,62.11 100.86,62.11 100.48,62.49 100.48,64.55 100.48,67.55 100.49,67.55 100.49,67.91 100.48,67.91 100.48,71.54 100.49,71.54 100.49,72.41 101.49,73.41 101.49,74.93 101.88,75.33 104.05,75.33 104.06,75.32 104.59,75.32 104.92,74.99 ; 104.92,74.99 105.25,74.66 105.25,74.52 105.38,74.39 106.78,74.39 v1(107.12,74.73) ; 104.92,74.99 104.67,75.23
/FPGA/EXP_INT: length 42.2
  Bottom w0.127: R199.2 146.98,139.84 v1(146.98,139.03) U34.22 ; U39.22 51.2,124.7 51.86,125.36 51.86,127.07 60.96,136.16 67.23,136.16 69.21,138.14 82.6,138.14 83.43,137.31
/FPGA/FPGA_12_13/FPGA_MISO_T: length 63.9
  Top w0.102: U1.AC21 v1(97.12,81.73)
  Bottom w0.102: v1(97.12,81.73) 96.77,81.38 92.28,81.38 91.31,80.41 91.31,61.36 88.66,58.7 88.66,54.17 85.7,51.21 62.87,51.21 62.15,51.93 U51.12
/FPGA/FPGA_12_13/FPGA_MOSI_T: length 64.8
  Top w0.102: U1.AB21 97.81,81.23 v1(98.12,81.54)
  Bottom w0.102: U51.13 61.55,50.66 61.8,50.41 85.41,50.41 89.13,54.13 89.13,58.54 91.61,61.03 91.61,79.72 92.24,80.34 97.22,80.34 98.12,81.24 v1(98.12,81.54)
/FPGA/FPGA_12_13/FPGA_SCK_T: length 63
  Top w0.11: v1(97.12,84.73) 97.12,84.73 U1.AE21
  Bottom w0.11: 61.47,54.38 62.76,54.38 62.92,54.22 86.84,54.22 87.67,55.04 87.67,59.29 90.71,62.33 90.71,81.86 91.94,83.09 92.03,83.09 93.31,84.37 96.76,84.37 v1(97.12,84.73)
/FPGA/FPGA_12_13/FPGA_SSEL_T: length 64.6
  Top w0.11: U1.AD21 97.12,83.73 v1(97.12,83.73)
  Bottom w0.11: 91.28,81.42 91.94,82.08 92,82.08 92.47,82.56 92.47,82.91 93.65,84.09 95.29,84.09 95.3,84.08 96.77,84.08 v1(97.12,83.73) ; 91.28,81.42 91.23,81.38 ; 91.28,81.42 90.98,81.12 90.98,61.9 88.31,59.23 88.31,54.79 86.23,52.71 62.46,52.71 61.96,53.2 U51.11
